# Altium PCB ZYNQ_JTY_16CH.PcbDoc (part 4 of 4)
Units mil, origin at the board's own origin, x right, y up, seen from the top; angles counter-clockwise.
Board outline 6456.69 x 4901.57 mil, 4 copper layers (Top1, GND2, PWR3, Bottom4), stack 22.378 mil thick; 525 components, 438 nets, 2202 pads, 1379 vias.
Unrouted connection lines stored in the file: 13.
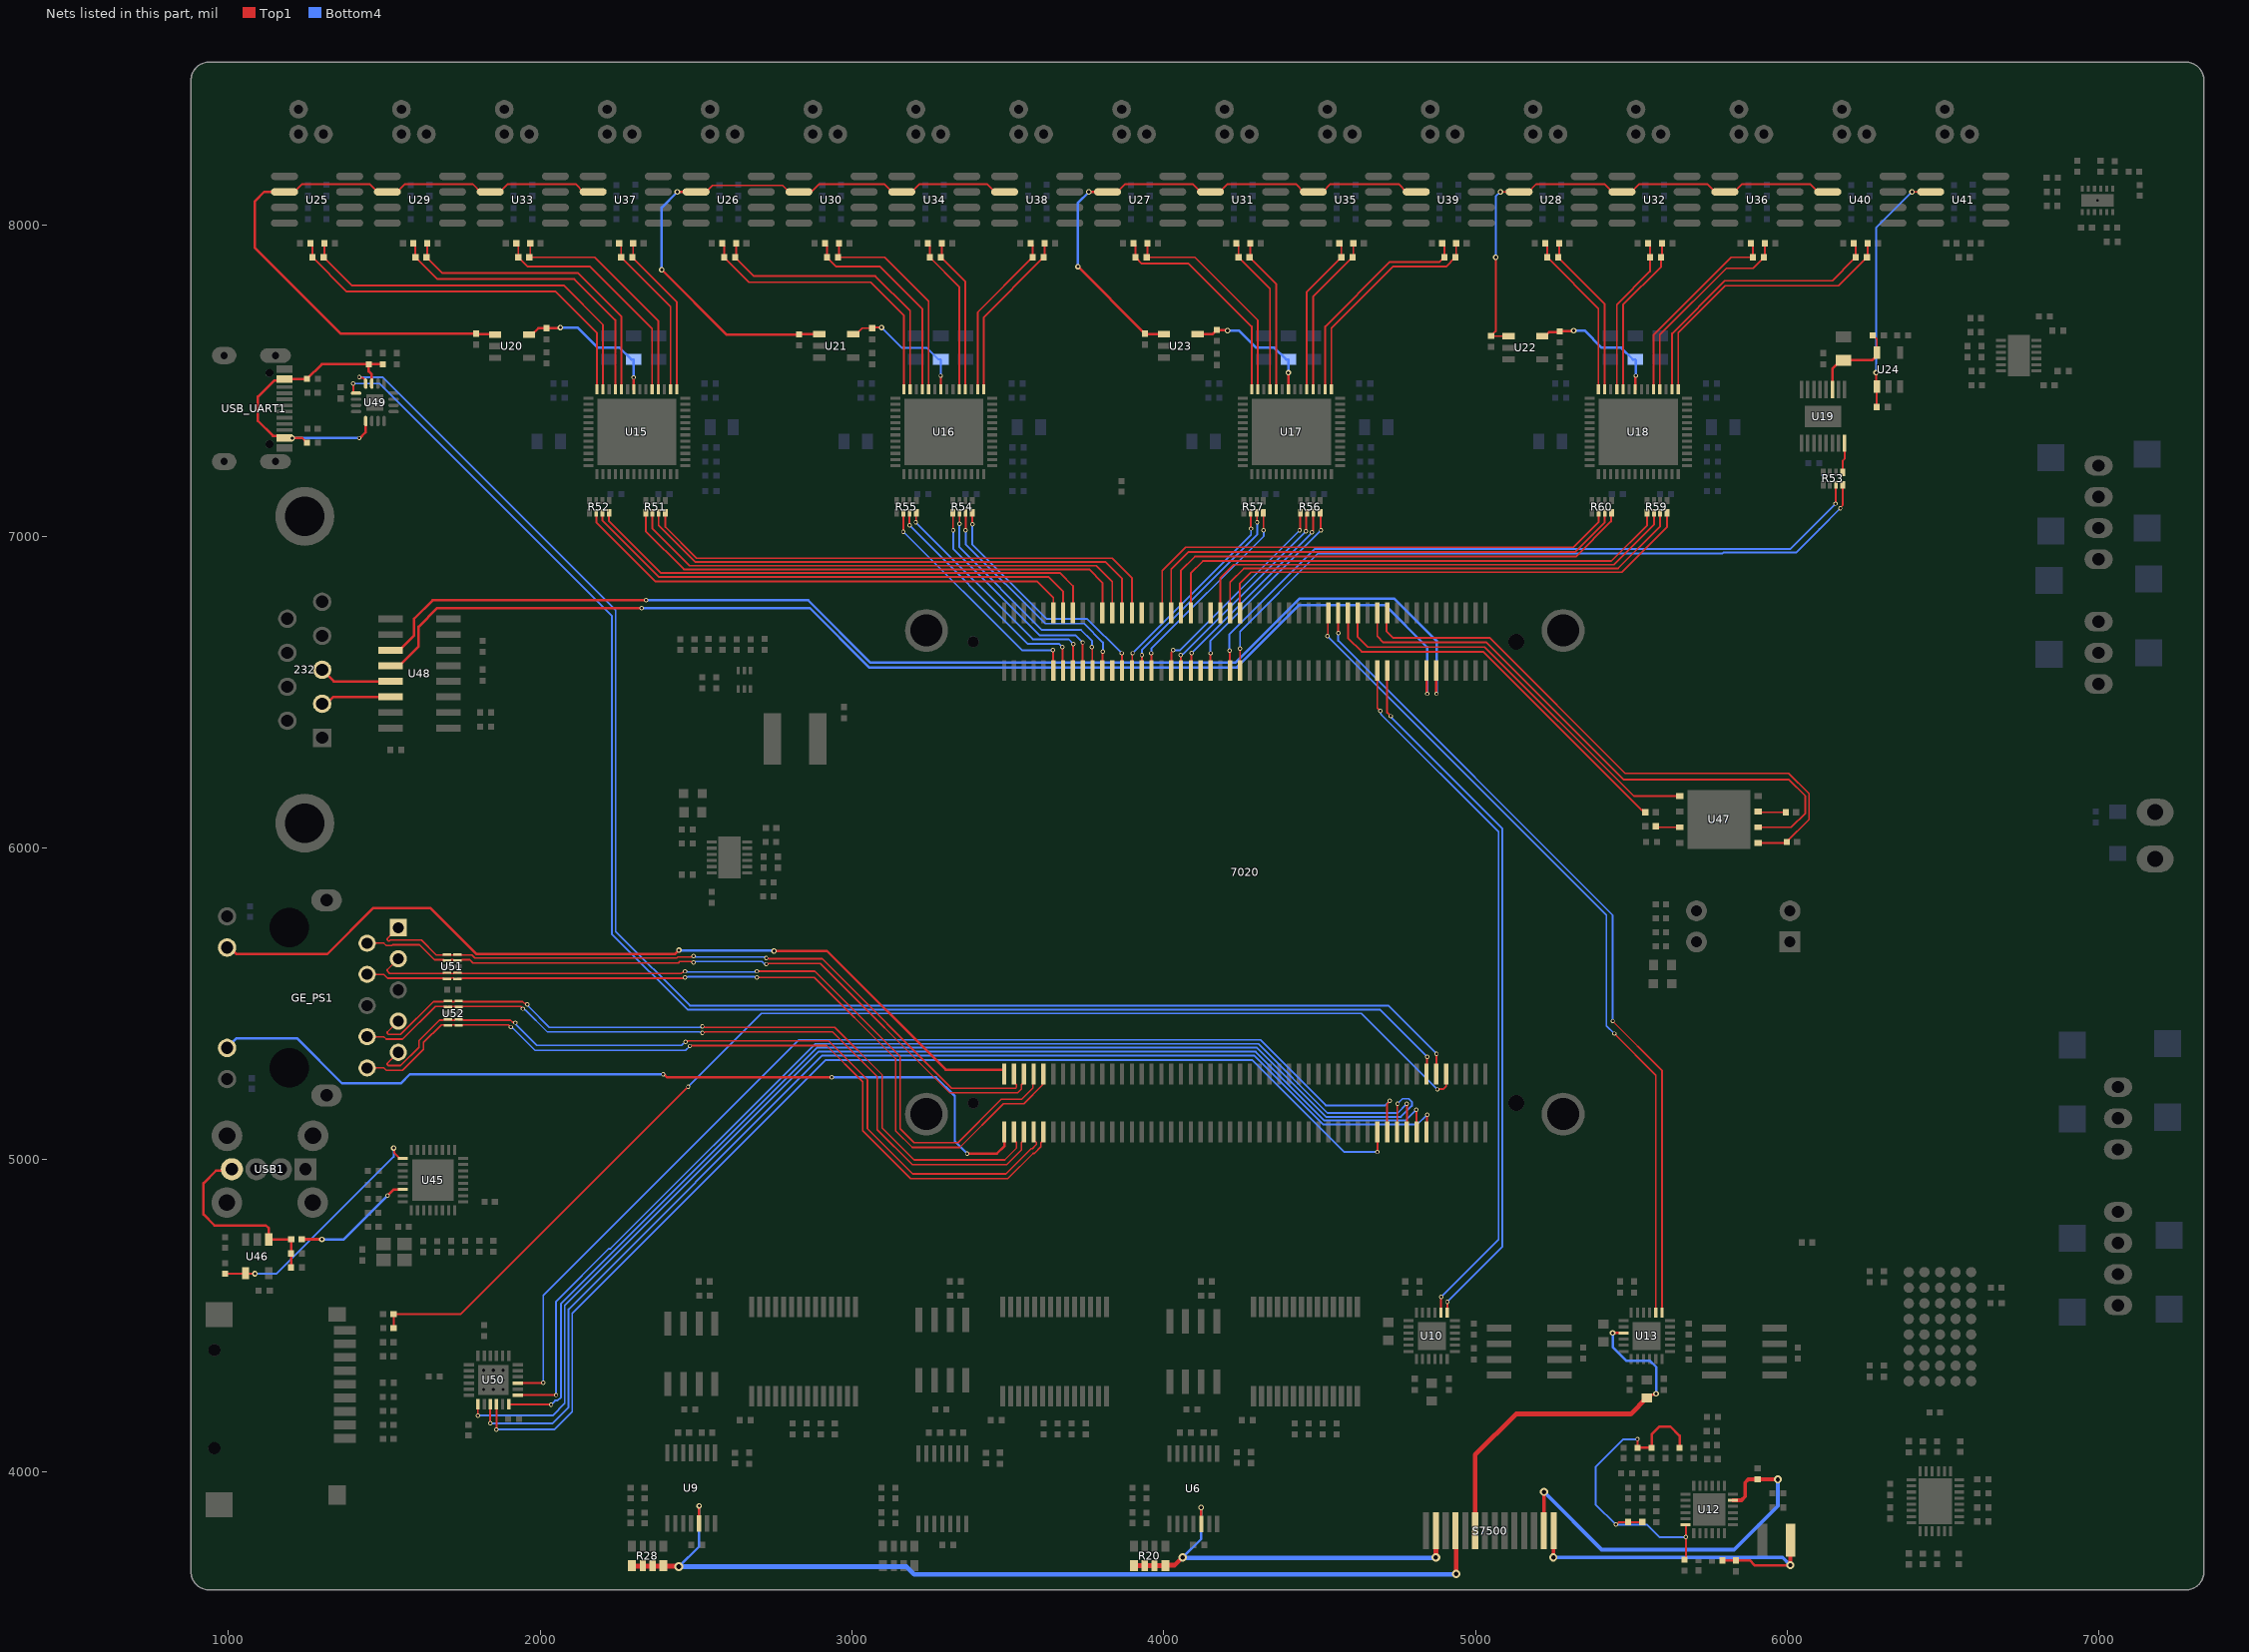
[diagram p6: the nets of this part, all layers, seen from the top]

## Via types
v1: diameter 18, hole 10, Top1 to Bottom4, tented both sides, 707 vias
v2: diameter 14, hole 8, Top1 to Bottom4, tented both sides, 314 vias
v3: diameter 22, hole 12, Top1 to Bottom4, tented both sides, 261 vias
v4: diameter 20, hole 11, Top1 to Bottom4, tented both sides, 40 vias
v5: diameter 26, hole 14, Top1 to Bottom4, tented both sides, 18 vias
v6: diameter 28, hole 15, Top1 to Bottom4, tented both sides, 14 vias
v7: diameter 24, hole 12, Top1 to Bottom4, tented both sides, 12 vias
v8: diameter 24, hole 10, Top1 to Bottom4, tented both sides, 9 vias
v9: diameter 20, hole 12, Top1 to Bottom4, tented both sides, 4 vias

## Nets (pads, with @x,y where several pads share a name; then routed paths per layer and width w, separated by ;. In a path a pad name is that pad's centre, name@x,y a point inside that pad or via, vN(x,y) a via of type N, cw(c..) or ccw(c..) an arc to the next point about the centre after c; other vN are vias at no path point) (continued)
PHASE: R28.1 R28.2 R28.3 R28.4 S7500.11 U9.12 | length 3073.4
  Top1 w8: U9.12@2510,3833.4 v1(2510,3890)
  Top1 w15: R28.1@2294.61,3698.5 2296.36,3696.75 2443.25,3696.75 v6(2445,3695) ; S7500.11@4936.02,3810 4938.01,3808.01 v6(4938.01,3671.99)
  Bottom4 w8: v6(2445,3695) 2510,3760 v1(2510,3890)
  Bottom4 w15: v6(2445,3695) 3175,3695 3200,3670 4936.02,3670 v6(4938.01,3671.99)
PHY1_AD0/LED0: 7020.J2_1 GE_PS1.12 | length 2800.2
  Top1 w8: GE_PS1.12@995.79,5681.02 1004.98,5681.02 1026,5660 1316.84,5660 1463.83,5806.99 1648.83,5806.99 1796.07,5659.76 2431.99,5659.76 v1(2445,5672.77) ; v1(2750,5670) 2920,5670 3300.8,5289.2 3485.7,5289.2 3488.59,5286.31 7020.J2_1@3488.59,5275
  Bottom4 w6: v1(2445,5672.77) v1@2446.38,5671.38 ; v1@2748.62,5671.38 v1(2750,5670)
  Bottom4 w8: v1@2446.38,5671.38 v1@2748.62,5671.38
PHY1_AD1/LED1: 7020.J2_2 GE_PS1.13 | length 2824.8
  Top1 w8: v2(2395,5275) 2396.62,5275 2406.62,5265 v2(2935,5265) ; v2(3370,5020) 3465,5020 3488.59,5043.59 7020.J2_2@3488.59,5089.96
  Bottom4 w8: GE_PS1.13@995.79,5358.98 1026.81,5390 1220,5390 1365,5245 1552.5,5245 1582.5,5275 v2(2395,5275) ; v2(2935,5265) 3270,5265 3330,5205 3330,5060 v2(3370,5020)
PHY1_MDI0_N: 7020.J2_5 GE_PS1.2 U51.2 U51.9 | length 2366.8
  Top1 w5.24: GE_PS1.2@1445,5695 1498.87,5695 1506.64,5687.23 1523.6,5687.23 1526.13,5689.76 1612.76,5689.76 1660.61,5641.91 1691.92,5641.91 1692.83,5641 U51.2@1702.07,5641 ; U51.2@1700.75,5639.68 U51.2@1702.07,5641 ; v2(2491.62,5633.56) 2489.94,5635.24 2484.87,5635.24 2484.17,5635.94 2447.58,5635.94 2443.53,5631.9 1784.53,5631.9 1774.52,5641.91 1748.83,5641.91 1747.92,5641 1722.9,5641 1721.99,5641.91 1713.76,5641.91 1712.85,5641 1704.43,5641 U51.2@1702.07,5641 ; v2(2725,5627.62) 2726.68,5629.3 2731.75,5629.3 2732.45,5630 2898.45,5630 3313.69,5214.76 3530.85,5214.76 3543.45,5227.36 3543.45,5241.09 3546.52,5244.16 3547.31,5244.16 3551.58,5248.43 7020.J2_5@3551.58,5275
  Bottom4 w5.24: v2(2491.62,5633.56) 2493.29,5635.24 2498.36,5635.24 2499.07,5635.94 2711.61,5635.94 2718.25,5629.3 2723.32,5629.3 v2(2725,5627.62)
PHY1_MDI0_P: 7020.J2_3 GE_PS1.1 U51.1 U51.10 | length 2326.8
  Top1 w5.24: GE_PS1.1@1545,5745 1509.88,5709.88 1509.88,5705.54 1512.95,5702.47 1517.29,5702.47 1519.82,5705 1619.07,5705 1666.92,5657.15 1691.92,5657.15 1692.83,5658.06 U51.1@1702.07,5658.06 ; U51.1@1700.75,5659.37 U51.1@1702.07,5658.06 ; v2(2491.62,5653.56) 2489.94,5651.89 2484.87,5651.89 2484.17,5651.18 2441.27,5651.18 2437.22,5647.14 1790.84,5647.14 1780.83,5657.15 1748.83,5657.15 1747.92,5658.06 1722.9,5658.06 1721.99,5657.15 1713.76,5657.15 1712.85,5658.06 1704.43,5658.06 U51.1@1702.07,5658.06 ; v2(2725,5647.62) 2726.68,5645.94 2731.75,5645.94 2732.45,5645.24 2904.76,5645.24 3320,5230 3524.54,5230 3528.21,5233.68 3528.21,5241.09 3525.14,5244.16 3524.35,5244.16 3520.08,5248.43 7020.J2_3@3520.08,5275
  Bottom4 w5.24: v2(2491.62,5653.56) 2493.29,5651.89 2498.36,5651.89 2499.07,5651.18 2717.92,5651.18 2717.97,5651.13 2719.12,5651.13 2722.63,5647.62 v2(2725,5647.62)
PHY1_MDI1_N: 7020.J2_9 GE_PS1.4 U51.5 U51.6 | length 2661.4
  Top1 w5.24: GE_PS1.4@1445,5595 1498.87,5595 1511.02,5582.85 1691.92,5582.85 1692.82,5581.95 U51.5@1702.06,5581.95 ; U51.5@1700.75,5580.63 U51.5@1702.06,5581.95 ; U51.5@1705.75,5580.63 U51.5@1704.43,5581.95 ; v2(2465,5585) 2463.32,5583.32 2459.81,5583.32 2459.33,5582.85 1748.83,5582.85 1747.93,5581.94 1736.32,5581.94 U51.6@1735,5580.63 1725.55,5580.63 1723.23,5582.95 1715.83,5582.95 1715.73,5582.85 1713.76,5582.85 1712.85,5581.95 U51.5@1704.43,5581.95 ; v2(2695,5585) 2879.76,5585 3139.76,5325 3139.76,5093.69 3193.69,5039.76 3346.31,5039.76 3486.31,5179.76 3551.31,5179.76 3611.95,5240.4 3611.95,5272.38 7020.J2_9@3614.57,5275 ; U51.5@1702.06,5581.95 U51.5@1704.43,5581.95
  Bottom4 w5.24: v2(2465,5585) 2466.68,5586.68 2471.75,5586.68 2472.45,5587.38 2687.55,5587.38 2688.25,5586.68 2693.32,5586.68 v2(2695,5585)
PHY1_MDI1_P: 7020.J2_7 GE_PS1.3 U51.4 U51.7 | length 2620.5
  Top1 w5.24: GE_PS1.3@1545,5645 1509.88,5609.88 1509.88,5605.54 1517.33,5598.09 1691.92,5598.09 1692.82,5598.99 U51.4@1702.07,5598.99 ; U51.4@1700.75,5600.31 U51.4@1702.07,5598.99 ; U51.4@1705.75,5600.31 U51.4@1704.43,5598.99 ; v2(2465,5605) 2462.63,5605 2458.85,5601.23 2456.16,5601.23 2453.02,5598.09 1748.83,5598.09 1747.93,5598.99 1736.32,5598.99 U51.7@1735,5600.31 1725.55,5600.31 1723.23,5597.99 1715.83,5597.99 1715.73,5598.09 1713.76,5598.09 1712.85,5598.99 U51.4@1704.43,5598.99 ; v2(2695,5605) 2881.31,5605 3155,5331.31 3155,5100 3200,5055 3340,5055 3480,5195 3545,5195 3580.45,5230.45 3580.45,5272.38 7020.J2_7@3583.07,5275 ; U51.4@1702.07,5598.99 U51.4@1704.43,5598.99
  Bottom4 w5.24: v2(2465,5605) 2466.68,5603.32 2471.75,5603.32 2472.45,5602.62 2687.55,5602.62 2688.25,5603.32 2693.32,5603.32 v2(2695,5605)
PHY1_MDI2_N: 7020.J2_6 GE_PS1.8 U52.2 U52.9 | length 2542
  Top1 w5.24: GE_PS1.8@1445,5395 1498.87,5395 1506.64,5387.23 1558.87,5387.23 1663.86,5492.22 1690.42,5492.22 1691.33,5491.31 1702.93,5491.31 U52.2@1704.25,5489.99 1705.57,5491.31 1716.35,5491.31 1717.26,5492.22 1725.49,5492.22 1726.4,5491.31 1737.18,5491.31 U52.9@1738.5,5489.99 1739.82,5491.31 1751.42,5491.31 1752.33,5492.22 1937.55,5492.22 1944.77,5485 v2(1945,5485) ; v2(2520,5407.62) 2521.68,5409.3 2526.75,5409.3 2527.45,5410 2938.45,5410 3081.34,5267.11 3081.34,5097.11 3193.69,4984.76 3496.31,4984.76 3543.45,5031.9 3543.45,5056.05 3546.52,5059.12 3547.31,5059.12 3551.58,5063.39 7020.J2_6@3551.58,5089.96
  Bottom4 w5.24: v2(1945,5485) 1947.37,5485 1950.95,5481.42 1951.95,5481.42 2023.37,5410 2512.55,5410 2513.25,5409.3 2518.32,5409.3 v2(2520,5407.62)
PHY1_MDI2_P: 7020.J2_4 GE_PS1.7 U52.1 U52.10 | length 2505.9
  Top1 w5.24: GE_PS1.7@1545,5445 1509.88,5409.88 1509.88,5405.54 1512.95,5402.47 1552.56,5402.47 1657.55,5507.46 1690.42,5507.46 1691.33,5508.37 1702.93,5508.37 U52.1@1704.25,5509.68 1705.57,5508.37 1716.35,5508.37 1717.26,5507.46 1725.49,5507.46 1726.4,5508.37 1737.18,5508.37 U52.10@1738.5,5509.68 1739.82,5508.37 1751.42,5508.37 1752.33,5507.46 1943.86,5507.46 1950.5,5500.82 1957.47,5500.82 v2(1959.14,5499.14) ; v2(2520,5427.62) 2521.68,5425.94 2526.75,5425.94 2527.45,5425.24 2944.76,5425.24 3096.58,5273.42 3096.58,5103.42 3200,5000 3490,5000 3528.21,5038.21 3528.21,5056.05 3525.14,5059.12 3524.35,5059.12 3520.08,5063.39 7020.J2_4@3520.08,5089.96
  Bottom4 w5.24: v2(1959.14,5499.14) 1959.14,5496.77 1962.73,5493.19 1962.73,5492.19 2029.68,5425.24 2512.55,5425.24 2513.25,5425.94 2518.32,5425.94 v2(2520,5427.62)
PHY1_MDI3_N: 7020.J2_10 GE_PS1.10 U52.5 U52.6 | length 2643.8
  Top1 w5.24: GE_PS1.10@1445,5295 1498.87,5295 1506.64,5287.23 1558.87,5287.23 1626.33,5354.68 1626.33,5376.48 1683,5433.16 1690.42,5433.16 1691.32,5432.26 1702.93,5432.26 U52.5@1704.25,5430.94 1705.56,5432.26 1716.35,5432.26 1717.26,5433.16 1719.23,5433.16 1719.33,5433.26 1726.73,5433.26 1729.05,5430.94 U52.6@1738.5,5430.94 1739.82,5432.26 1751.43,5432.26 1752.33,5433.16 1898.41,5433.16 1905.71,5425.86 v2(1905.86,5425.86) ; v2(2480,5365) 2481.36,5366.36 2918.64,5366.36 3034.76,5250.24 3034.76,5093.69 3188.69,4939.76 3500,4939.76 3581.16,5020.92 3585.04,5020.92 3606.44,5042.32 3606.44,5056.05 3609.51,5059.12 3610.3,5059.12 3614.57,5063.39 7020.J2_10@3614.57,5089.96
  Bottom4 w5.24: v2(1905.86,5425.86) 1908.23,5425.86 1911.81,5422.27 1912.81,5422.27 1924.15,5410.93 1983.37,5351.71 2466.71,5351.71 v2(2480,5365)
PHY1_MDI3_P: 7020.J2_8 GE_PS1.9 U52.4 U52.7 | length 2607.7
  Top1 w5.24: GE_PS1.9@1545,5345 1509.88,5309.88 1509.88,5305.54 1512.95,5302.47 1552.56,5302.47 1611.09,5361 1611.09,5382.8 1676.69,5448.4 1690.42,5448.4 1691.32,5449.31 1702.93,5449.31 U52.4@1704.25,5450.62 1705.57,5449.31 1716.35,5449.31 1717.26,5448.4 1719.23,5448.4 1719.33,5448.3 1726.73,5448.3 1729.05,5450.62 U52.7@1738.5,5450.62 1739.82,5449.31 1751.43,5449.31 1752.33,5448.4 1904.72,5448.4 1911.44,5441.68 1918.32,5441.68 v2(1920,5440) ; v2(2465.86,5379.14) 2467.53,5380.82 2474.27,5380.82 2475.05,5381.6 2924.95,5381.6 3050,5256.55 3050,5100 3195,4955 3493.69,4955 3574.85,5036.16 3578.73,5036.16 3591.2,5048.64 3591.2,5056.05 3588.13,5059.12 3587.34,5059.12 3583.07,5063.39 7020.J2_8@3583.07,5089.96
  Bottom4 w5.24: v2(1920,5440) 1920,5437.63 1923.58,5434.04 1923.58,5433.05 1939.39,5417.25 1989.68,5366.95 2453.33,5366.95 2465.52,5379.14 v2(2465.86,5379.14)
QSPI_CLK: 7020.J1_71 R147.2 | length 1266.3
  Top1 w6: 7020.J1_71@4590.95,6754.69 4590.95,6674.05 4635,6630 5025,6630 5495,6160 5533.16,6121.84 5538.16,6121.84 R147.2@5545,6115
QSPI_CS: 7020.J1_79 R148.1 U47.1 | length 1908.1
  Top1 w6: 7020.J1_79@4716.93,6754.69 4715,6752.76 4715,6695 4735,6675 5045,6675 5480,6240 6005,6240 6070,6175 6070,6091.73 R148.1@5998.27,6020 5995.27,6017 U47.1@5907,6017
QSPI_IO0: 7020.J1_73 U47.5 | length 1321.2
  Top1 w6: 7020.J1_73@4622.44,6754.69 4622.44,6677.56 4655,6645 5030,6645 5508,6167 U47.5@5655,6167
QSPI_IO1: 7020.J1_77 U47.2 | length 1884.9
  Top1 w6: 7020.J1_77@4685.44,6754.69 4685,6754.25 4685,6680 4705,6660 5035,6660 5475,6220 6005,6220 6058,6167 6058,6112.12 6012.88,6067 U47.2@5907,6067
QSPI_IO2: R149.1 U47.3 | length 95.9
  Top1 w6: U47.3@5907,6117 5909,6115 R149.1@5995,6115 R149.1@6000,6110
QSPI_IO3: R150.1 U47.7 | length 77.8
  Top1 w6: R150.1@5578.46,6070 5581.46,6067 U47.7@5655,6067
RIGHT: R20.1 R20.2 R20.3 R20.4 S7500.13 U6.12 | length 1304
  Top1 w8: v1(4120,3885) 4120.3,3884.7 4120.3,3832 U6.12@4120.59,3831.7
  Top1 w15: R20.1@3904.61,3698.5 R20.2@3939.25,3698.5 R20.3@3970.75,3698.5 R20.4@4005.39,3698.5 4006.89,3700 4035,3700 4060,3725 v6(4061.19,3725) ; v6(4872.94,3725) 4872.98,3725.05 S7500.13@4873.03,3810 S7500.13@4873.03,3810
  Bottom4 w8: v6(4061.19,3725) 4120,3783.81 v1(4120,3885)
  Bottom4 w15: v6(4061.19,3725) 4063.25,3722.94 4870.87,3722.94 v6(4872.94,3725)
RXD: 7020.J2_87 U49.5 | length 5031.5
  Top1 w6: v2(1400,7490) 1400.77,7489.23 1400.77,7461.76 1403.09,7459.44 U49.5@1409.76,7459.44 ; 7020.J2_87@4842.99,5275 4844,5276 4844,5329 v2(4845,5330)
  Bottom4 w6: v2(1400,7490) 1485,7490 2230,6745 2230,5725 2473,5482 4693,5482 v2(4845,5330)
RXD_232: 232.2 U48.14 | length 228.2
  Top1 w8: 232.2@1300.91,6463.07 1314.72,6463.07 1336.65,6485 U48.14@1520,6485
SCK: R53.1 U19.16 | length 96.4
  Top1 w6: R53.1@6177.99,7205 6177.99,7242.45 6183.9,7248.36 U19.16@6183.9,7299
SCK9: 7020.J1_50 R53.8 | length 2292.8
  Top1 w6: 7020.J1_50@4244.49,6569.65 4244.75,6569.9 v2(4244.75,6639.75) ; v2(6170,7090) 6170,7092.16 6177.99,7100.16 R53.8@6177.99,7165.63
  Bottom4 w6: v2@4245,6640 4245,6695 4495,6945 5792,6945 5795,6948 6028,6948 6103.23,7023.23 v2(6170,7090)
SCLK_GAIN: 7020.J1_78 U10.20 | length 2297.7
  Top1 w6: 7020.J1_78@4685.44,6569.65 4685.22,6569.43 4685.22,6449.57 4694.8,6439.99 v2(4694.8,6439.8) ; U10.20@4889.53,4509.5 4889.76,4509.74 4889.76,4559.76 v2(4890,4560)
  Bottom4 w6: v2(4694.8,6439.8) 4696.33,6438.27 4696.33,6430.9 4696.83,6430.4 4696.83,6429.54 5074,6052.37 5074,4744 v2(4890,4560)
SCLK_SOA: 7020.J1_67 U13.20 | length 2682.8
  Top1 w6: v2(4525,6680) 4526.48,6681.48 4526.48,6753.21 7020.J1_67@4527.95,6754.69 ; v2(5445,5405) 5578.53,5271.47 U13.20@5578.53,4509.5
  Bottom4 w6: v2(4525,6680) 5420,5785 5420,5430 v2(5445,5405)
SD_CD: 7020.J2_91 R158.2 R160.1 | length 3965.4
  Top1 w6: R158.2@1530,4460 1530,4504.75 R160.1@1529.75,4505 1745,4505 v2(2475,5235) ; v2(4878,5225.81) 4879.41,5227.22 4897.22,5227.22 4905.99,5235.99 7020.J2_91@4905.99,5275
  Bottom4 w6: v2(2475,5235) 2710,5470 4633.81,5470 v2(4878,5225.81)
SD_CLK: 7020.J2_80 U50.9 | length 3613.8
  Top1 w6: U50.9@1927.76,4284.15 1928.18,4284.58 2009.58,4284.58 v2(2010,4285) ; 7020.J2_80@4716.97,5089.96 4716.97,5179.81 4725,5187.84 v2(4725,5190)
  Bottom4 w6: v2(2010,4285) 2010,4565 2830,5385 4310,5385 4520,5175 4710,5175 v2(4725,5190)
SD_CMD: 7020.J2_78 U50.4 | length 3768.6
  Top1 w6: U50.4@1859.84,4216.24 1859.92,4216.17 1859.92,4135.08 v2(1860,4135) ; v2(4685.48,5025.48) 7020.J2_78@4685.48,5089.96
  Bottom4 w6: v2(1860,4135) 2045,4135 2103,4193 2103,4508 2915,5320 4285,5320 4579.52,5025.48 v2(4685.48,5025.48)
SD_D0: 7020.J2_82 U50.6 | length 3814.2
  Top1 w6: U50.6@1899.21,4216.24 1900.46,4215 v2(2035,4215) ; 7020.J2_82@4748.51,5089.96 4749.26,5090.7 4749.26,5179.26 v2(4750,5180)
  Bottom4 w6: v2(2035,4215) 2047.89,4227.89 2055.64,4227.89 2067,4239.25 2067,4538.97 2888.03,5360 4298.94,5360 4520.94,5138 4760.63,5138 4796,5173.37 4796,5186.63 4786.63,5196 4766,5196 v2(4750,5180)
SD_D1: 7020.J2_84 U50.7 | length 3689.4
  Top1 w6: U50.7@1927.76,4244.77 1928.31,4245.33 2050.45,4245.33 v2(2051,4245.88) ; 7020.J2_84@4780,5089.96 v2(4780,5180)
  Bottom4 w6: v2(2051,4245.88) 2051,4546 2220,4715 2225,4715 2882,5372 4303.91,5372 4525.91,5150 4750,5150 v2(4780,5180)
SD_D2: 7020.J2_86 U50.1 | length 3892.2
  Top1 w6: v2(1800,4180) 1800.39,4180.39 1800.39,4215.85 U50.1@1800.79,4216.24 ; v2(4810,5161) 4810.75,5160.25 4810.75,5090.71 7020.J2_86@4811.5,5089.96
  Bottom4 w6: v2(1800,4180) 2040,4180 2079,4219 2079,4534 2892,5347 4294.97,5347 4515.97,5126 4775,5126 v2(4810,5161)
SD_D3: 7020.J2_88 U50.3 | length 3899.9
  Top1 w6: v2(1840,4155) 1840.08,4155.08 1840.08,4216.17 U50.3@1840.16,4216.24 ; 7020.J2_88@4842.99,5089.96 4844,5090.96 4844,5144 v2(4845,5145)
  Bottom4 w6: v2(1840,4155) 2040,4155 2091,4206 2091,4521 2905,5335 4290,5335 4511,5114 4814,5114 v2(4845,5145)
SDI_GAIN: 7020.J1_80 U10.19 | length 2286.3
  Top1 w6: 7020.J1_80@4716.93,6569.65 4716.93,6434.56 4728.21,6423.28 v2(4728.28,6423.28) ; U10.19@4909.21,4509.5 4909.61,4509.89 4909.61,4544.61 v2(4910,4545)
  Bottom4 w6: v2(4728.28,6423.28) 4728.28,6421.31 5086,6063.6 5086,4721 v2(4910,4545)
SDI_SOA: 7020.J1_69 U13.19 | length 2675.5
  Top1 w6: 7020.J1_69@4559.45,6754.69 4559.73,6754.42 4559.73,6690.27 v2(4560,6690) ; v2(5440,5445) 5598.21,5286.79 U13.19@5598.21,4509.5
  Bottom4 w6: v2(4560,6690) 4560,6665 5440,5785 v2(5440,5445)
SDO9: 7020.J1_48 R53.7 | length 2296.7
  Top1 w6: v2(4211.5,6633.5) 4211.5,6571.15 7020.J1_48@4212.99,6569.65 ; v2(6155,7105) 6155.67,7105.67 6155.67,7164.96 R53.7@6156.34,7165.63
  Bottom4 w6: v2(4211.5,6633.5) 4210,6635 4210,6685 4485,6960 6010,6960 v2(6155,7105)
SOA: R45.2 S7500.9 U13.3 | length 1237.3
  Top1 w8: v1(5440,4445) 5440.08,4444.92 5474.42,4444.92 U13.3@5474.5,4444.84 ; R45.2@5550,4236.46 5560.76,4247.22 5573.87,4247.22 5576.65,4250 v1(5579.36,4250)
  Top1 w15: S7500.9@4999.02,3810 4999.02,4054.02 5130,4185 5498.54,4185 R45.2@5550,4236.46
  Bottom4 w8: v1(5440,4445) 5440,4400 5485,4355 5560,4355 5580,4335 5580,4250.64 v1(5579.36,4250)
TEC+: C45.2 S7500.2 U12.17 | length 1292.9
  Top1 w12: S7500.2@5219.49,3810 5219.74,3810.26 5219.74,3934.74 v5(5220,3935) ; U12.17@5826.03,3908.03 5853.03,3908.03 5865,3920 5865,3965 5875,3975 C45.2@5905,3975 v5(5970,3975)
  Bottom4 w12: v5(5220,3935) 5405,3750 5830,3750 5970,3890 v5(5970,3975)
TEC-: C51.2 L3.1 R47.1 S7500.1 | length 1160.8
  Top1 w8: R47.1@5791.73,3715 5791.95,3715.22 5834.78,3715.22 C51.2@5835,3715.43 5879.57,3715.43 5895,3700 v5(6010,3700)
  Top1 w12: v5(5250,3725) 5250.49,3725.49 5250.49,3809.51 S7500.1@5250.98,3810 ; v5(6010,3700) 6010.28,3700.28 6010.28,3779.72 L3.1@6010.55,3780
  Bottom4 w12: v5(5250,3725) 5985,3725 v5(6010,3700)
TEC_REF: C41.2 R31.1 R36.1 R39.1 R43.2 R46.2 U12.6 | length 1096.4
  Top1 w6: v2(5450,3830) 5452.16,3830 5459.66,3837.5 5489.23,3837.5 R43.2@5490,3838.27 R46.2@5535,3838.27 ; R39.1@5520,4076.73 v2(5520,4105) ; C41.2@5670,3717.59 5675,3722.59 v2(5675,3790) 5675,3827.32 U12.6@5673.03,3829.29
  Top1 w8: R39.1@5520,4076.73 R31.1@5565,4076.73 5565,4120 5590,4145 5625,4145 5655,4115 R36.1@5655,4076.73
  Bottom4 w6: v2(5520,4105) 5519,4104 5474,4104 5385,4015 5385,3895 v2(5450,3830) 5550,3830 5590,3790 v2(5675,3790)
TXD: 7020.J2_89 U49.4 | length 5057.1
  Top1 w6: v2(1420,7510.36) 1421.53,7508.83 1431.35,7508.83 1440.32,7499.86 U49.4@1440.32,7490 ; 7020.J2_89@4874.49,5275 4874.75,5275.25 4874.75,5339.75 v2(4875,5340)
  Bottom4 w6: v2(1420,7510.36) 1494.64,7510.36 2242,6763 2242,5733 2480,5495 4720,5495 v2(4875,5340)
TXD_232: 232.3 U48.13 | length 234.5
  Top1 w8: 232.3@1300.91,6572.13 1338.03,6535 U48.13@1520,6535
UART2_RX: 7020.J1_88 U48.12 | length 3881.5
  Top1 w8: U48.12@1520,6585 1548,6585 1610,6647 1610,6710 1670,6770 v2(2325,6770) ; 7020.J1_88@4842.95,6569.65 4842.95,6498.67 4845,6496.62 v2(4845,6495)
  Bottom4 w8: v2(2325,6770) 2865,6770 3055,6580 4234.8,6580 4434.8,6780 4710,6780 4845,6645 v2(4845,6495)
UART2_TX: 7020.J1_90 U48.11 | length 3920.9
  Top1 w8: U48.11@1520,6635 1548,6635 1596,6683 1596,6736 1655,6795 v2(2340,6795) ; 7020.J1_90@4874.45,6569.65 4874.73,6569.38 4874.73,6495.27 v2(4875,6495)
  Bottom4 w8: v2(2340,6795) 2860,6795 3060,6595 4230,6595 4435,6800 4740,6800 4875,6665 v2(4875,6495)
USB_5V: C240.2 C241.2 R144.1 U46.1 USB1.4 | length 635.5
  Top1 w8: USB1.4@1011.26,4970 1006.26,4965 960,4965 920,4925 920,4825 955,4790 1120,4790 1130,4780 U46.1@1130,4745 R144.1@1201.54,4745 1200.98,4744.45 1200.98,4655.55 C241.2@1200.43,4655
USB_VBUS: R144.2 U45.22 | length 391.3
  Top1 w8: v2(1510,4885) 1530,4905 U45.22@1560,4905
  Top1 w10: R144.2@1235,4745 v1(1300,4745)
  Bottom4 w8: v1(1300,4745) 1370,4745 v2(1510,4885)
VREF1V65_9: C126.2 U24.1 U41.2 | length 798.8
  Top1 w6: v1(6285,7525) 6285,7483.35 U24.1@6287.6,7480.75 6287.28,7480.44 C126.2@6287.28,7415 ; v1(6400,8105) U41.2@6460,8105
  Bottom4 w6: v1(6285,7525) 6285,7990 6360,8065 v1(6400,8105)
VREF1V65_W: C122.2 U22.1 U28.2 U32.2 U36.2 U40.2 | length 1642.7
  Top1 w6: v1(5065,7895) 5065,7657.72 C122.2@5050,7642.72 5050.31,7642.4 U22.1@5105.75,7642.4 ; v1(5080,8105) U28.2@5140,8105 5170,8105 5195,8130 5413.5,8130 5438.5,8105 U32.2@5470,8105 5500,8105 5525,8130 5743.5,8130 5768.5,8105 U36.2@5800,8105 5830,8105 5855,8130 6073.5,8130 6098.5,8105 U40.2@6130,8105
  Bottom4 w6: v1(5065,7895) 5065,8090 v1(5080,8105)
VREF1V65_X: C95.2 U20.1 U25.2 U29.2 U33.2 U37.2 | length 2195.3
  Top1 w6: U25.2@1180,8105 1211.5,8105 1236.5,8130 1453.5,8130 1478.5,8105 U29.2@1510,8105 1541.5,8105 1566.5,8130 1783.5,8130 1808.5,8105 U33.2@1840,8105 1871.5,8105 1896.5,8130 2113.5,8130 2138.5,8105 U37.2@2170,8105